# KiCad board servo.kicad_pcb (continued)
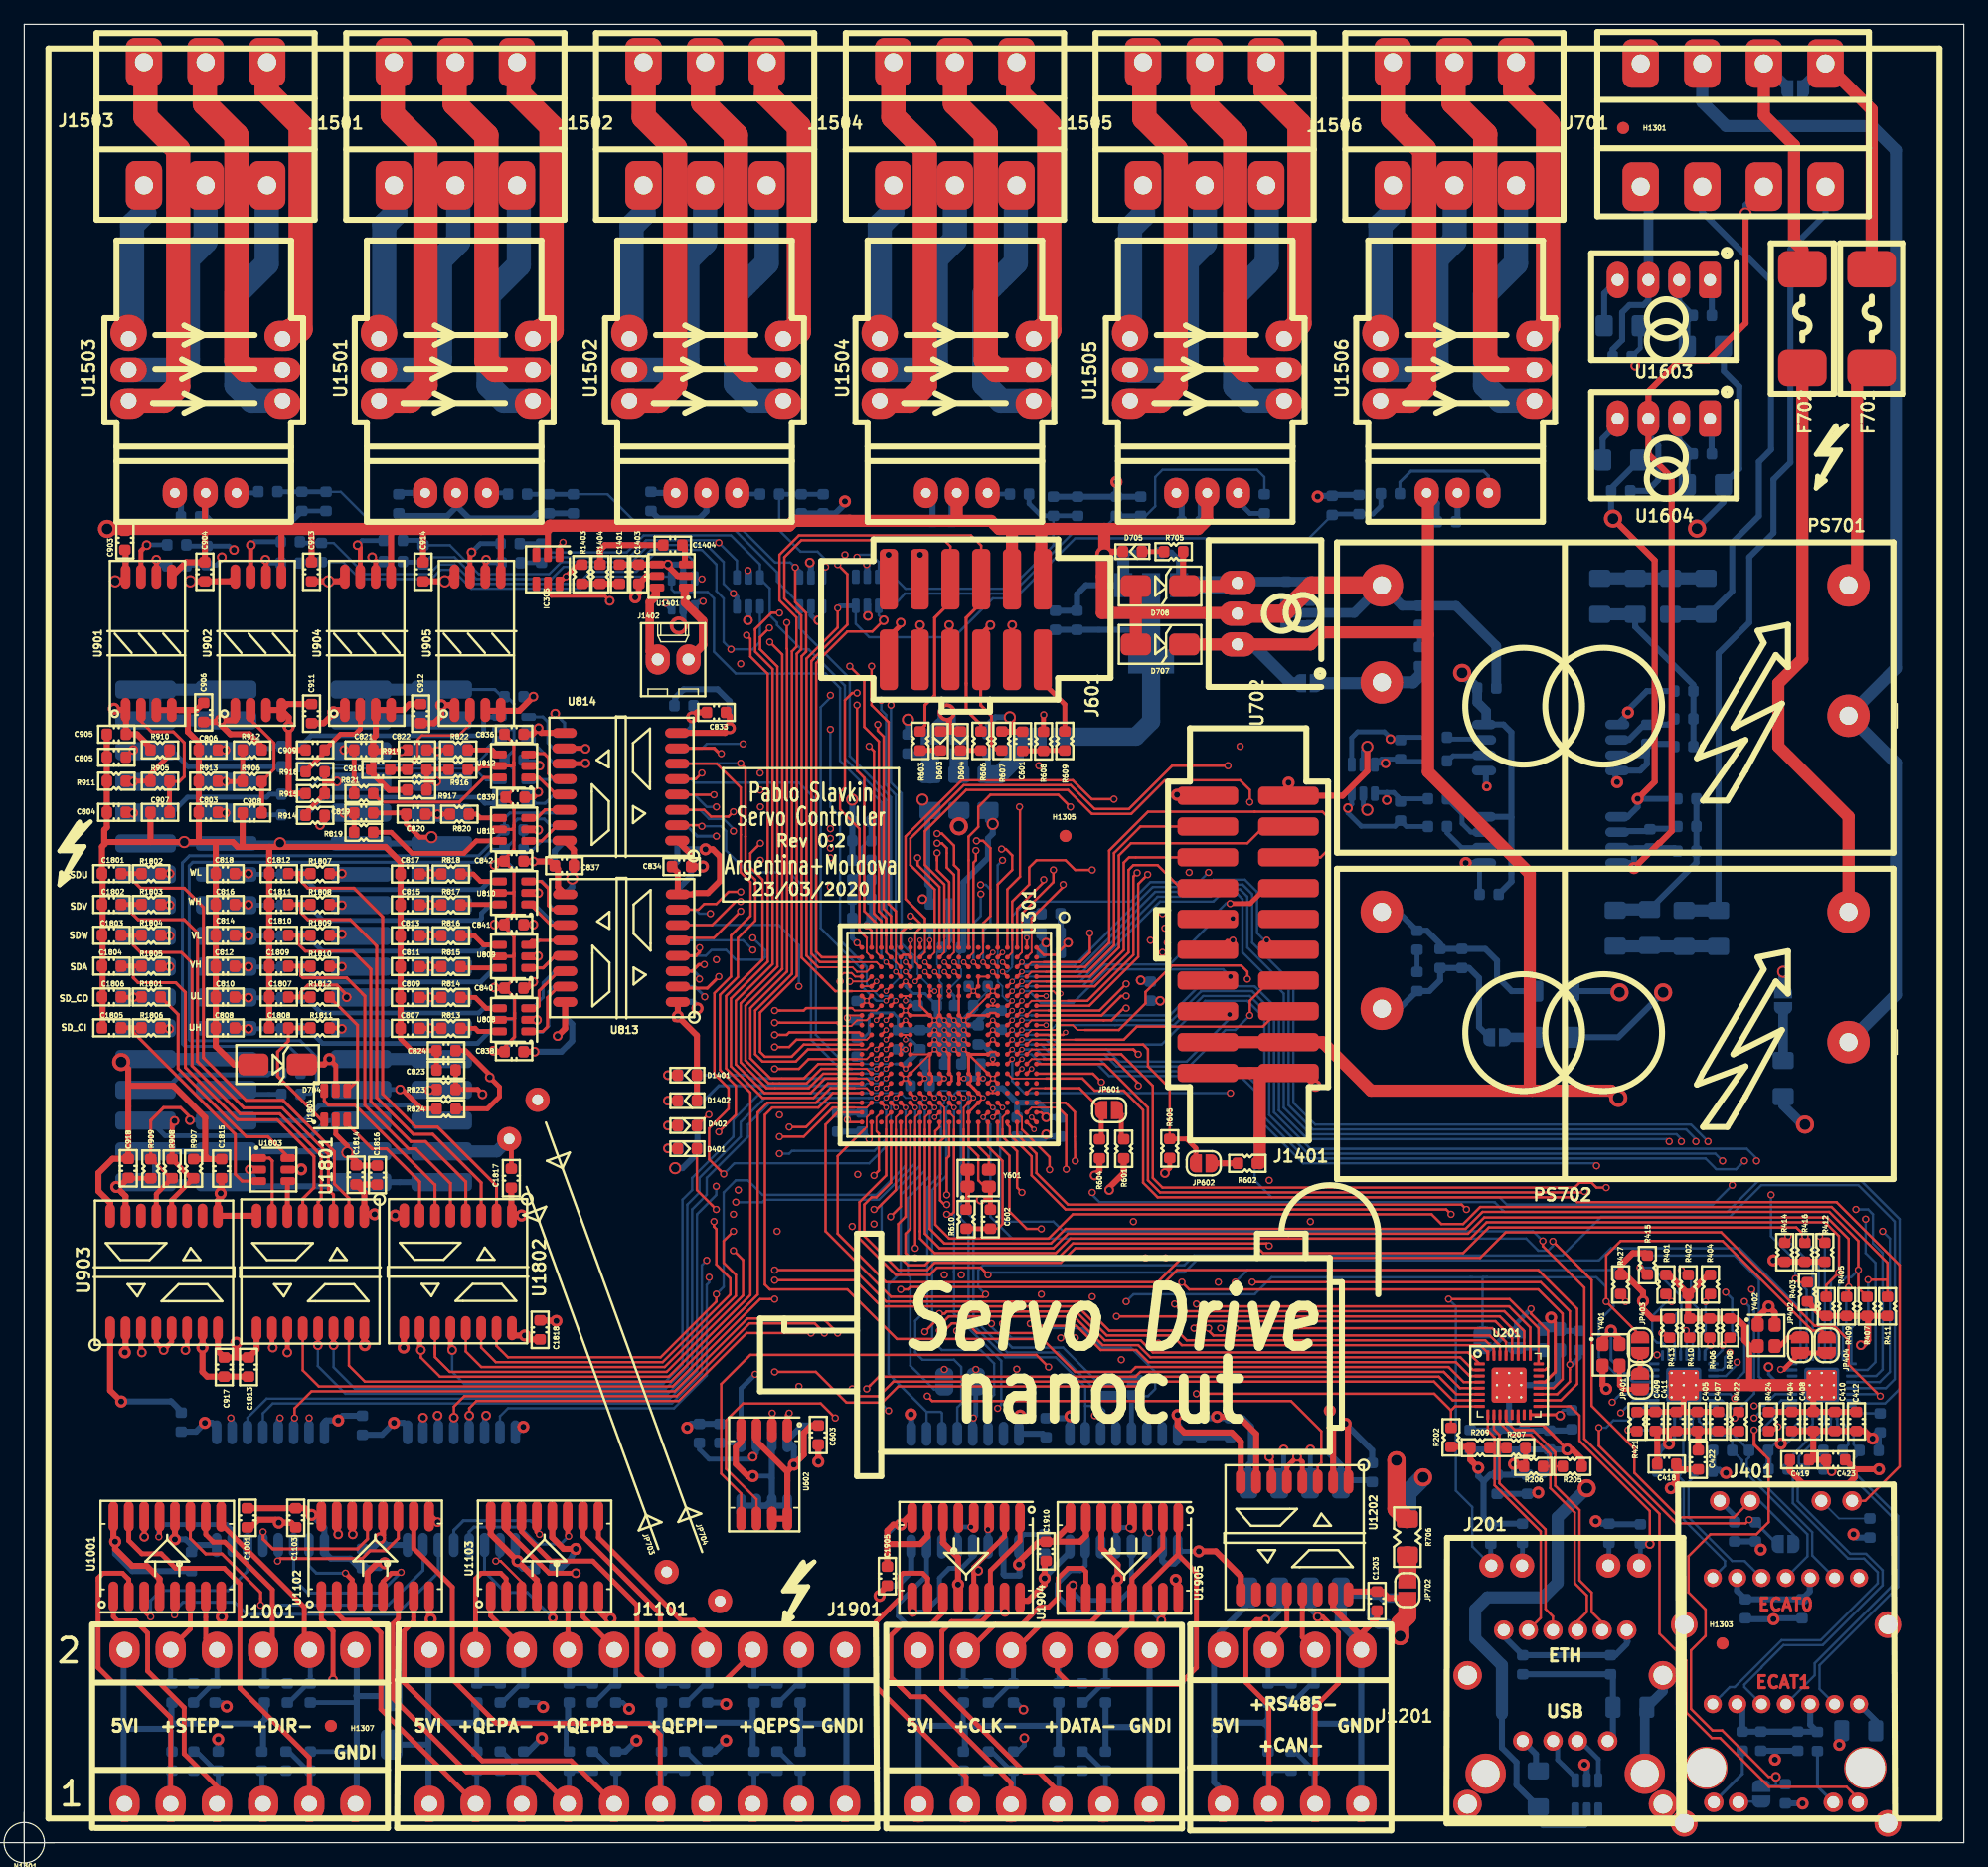
[diagram p0: board, top side]
## Routing (per net, layer and track width the routed paths; a pad name or vN(x,y) marks a point on that pad's centre or on a via; arc(x,y) is an arc through that point) (continued)
ECAT1_RX_ER: length 102.3
  Top w0.2: R416.2 146.89,50.03 v5(146.9,50.04) 146.18,50.76 120.82,50.76 118.7,48.64 102.2,48.64 101.8,49.04 86.7,49.04 85.5,47.84 75.1,47.84 74.5,47.24 72.1,47.24 69.3,50.04 69.3,52.64 69.9,53.24 70.3,53.24 71.5,54.44 U301.T19
  Bottom w0.2: v5(146.9,50.04) 146.9,49.64 148.04,48.51 U403.28
ECAT1_TX_CLK: length 118.3
  Top w0.2: U301.U10 v2(71.1,67.04)
  In2.Cu w0.2: v5(151.9,51.44) 151.5,51.04 107.5,51.04 107.1,50.64 99.1,50.64 98.1,49.64 76.07,49.64 75.27,50.44 69.3,50.44 68.9,50.84 v5(68.3,50.84)
  In3.Cu w0.2: v2(71.1,67.04) 70.9,66.84 69.5,66.84 68.7,66.04 68.7,58.84 67.9,58.04 67.9,51.24 v5(68.3,50.84)
  Bottom w0.2: U403.2 152.06,39 152.7,39.64 152.7,47.84 151.9,48.64 v5(151.9,51.44)
ECAT1_TX_D0: length 132.8
  Top w0.152: 67.7,66.24 69.5,66.24 U301.V10
  Top w0.2: 67.7,66.24 63.7,66.24 63.1,65.64 v5(61.9,65.64)
  In2.Cu w0.2: v5(153.3,50.44) 153.1,50.64 108.1,50.64 107.7,50.24 99.3,50.24 98.3,49.24 75.9,49.24 75.1,50.04 67.7,50.04 67.31,50.43 v5(62.1,50.44)
  In3.Cu w0.2: v5(62.1,50.44) 60.7,51.84 60.7,65.04 61.3,65.64 v5(61.9,65.64)
  Bottom w0.2: U403.4 153.06,38 153.9,38.84 153.9,49.84 v5(153.3,50.44)
ECAT1_TX_D1: length 126.6
  Top w0.2: v5(79.3,45.24) 79.1,45.04 71.5,45.04 66.1,50.44 66.1,59.24 67.1,60.24 U301.W18
  Bottom w0.2: v5(79.3,45.24) 78.7,45.84 78.7,47.24 79.1,47.64 95.7,47.64 96.5,48.44 126.9,48.44 130.1,51.64 140.7,51.64 143.3,54.24 151.3,54.24 154.3,51.24 154.3,38.24 153.56,37.5 U403.5
ECAT1_TX_D2: length 109.7
  Top w0.152: U301.V18 69.5,59.84 69.5,59.04 69.3,58.84
  Top w0.2: 69.3,58.84 67.1,56.64 67.1,50.24 71.1,46.24 93.5,46.24 95.5,48.24 120.1,48.24 122.22,50.36 139.98,50.36 147.7,42.64 149.3,42.64 150.5,41.44 150.5,39.44 v5(153.1,36.84)
  Bottom w0.2: U403.6 152.94,37 v5(153.1,36.84)
ECAT1_TX_D3: length 112.8
  Top w0.152: 70.36,58.64 70.3,58.7 70.3,59.84 U301.U18
  Top w0.2: v5(70.1,55.04) 70.5,55.44 70.5,58.5 70.36,58.64
  In2.Cu w0.2: v5(70.1,55.04) 70.33,55.27 83.67,55.27 85.3,53.64 v5(88.1,53.64)
  Bottom w0.2: U403.7 151.26,36.5 151.52,36.24 153.5,36.24 154.7,37.44 154.7,51.44 151.43,54.71 143.17,54.71 140.5,52.04 122.1,52.04 121.3,52.84 88.7,52.84 88.1,53.44 v5(88.1,53.64)
ECAT1_TX_EN: length 115.2
  Top w0.2: v2(71.1,66.24) U301.T10
  In2.Cu w0.2: v5(151.1,52.24) 121.1,52.24 120.5,52.84 85.3,52.84 83.3,54.84 75.44,54.84 75.06,54.46 69.08,54.46 68.76,54.78 v5(68.76,55.13)
  In3.Cu w0.2: v5(68.76,55.13) 68.5,55.38 68.5,58.04 69.1,58.64 69.1,65.64 69.7,66.24 v2(71.1,66.24)
  Bottom w0.2: v5(151.1,52.24) 152.1,52.24 152.5,51.84 152.5,49.44 153.3,48.64 153.3,39.04 152.76,38.5 U403.3
ECAT_EEPROM_SCL: length 61
  Top w0.2: U301.C13 v2(82.3,64.64)
  In2.Cu w0.2: v4(60.1,31.84) 61.1,31.84 61.26,32 67.5,38.24 81.05,38.24 v5(81.88,39.06)
  In3.Cu w0.2: v5(81.88,39.06) 82.18,39.36 82.18,48.16 81.1,49.24 81.1,55.24 82.3,56.44 82.3,60.64 83.9,62.24 83.9,64.24 83.5,64.64 v2(82.3,64.64)
  Bottom w0.152: 60.4,33.68 U401.6
  Bottom w0.4: U401.6 60.4,32.14 v4(60.1,31.84) ; R418.2 55.7,32.44 56.5,31.64 59.9,31.64
ECAT_EEPROM_SDA: length 73.5
  Top w0.152: U301.B13 83.1,64.64 84.1,64.64
  Top w0.2: v5(91.9,62.44) 91.9,62.64 89.9,64.64 84.1,64.64
  In2.Cu w0.2: v5(60.3,38.64) 61.68,40.02 89.68,40.02 89.86,39.84 v5(90.5,39.84)
  In3.Cu w0.2: v5(91.9,62.44) 91.7,62.24 91.7,53.24 89.9,51.44 89.9,44.64 90.9,43.64 90.9,40.24 v5(90.5,39.84)
  Bottom w0.152: U401.5 59.13,33.68
  Bottom w0.4: v5(60.3,38.64) 59.13,37.47 U401.5 58.91,32.98 R417.2
ECAT_LED_ERR: length 31.3
  Top w0.152: 55.61,59.04 D402.1
  Top w0.2: U301.E17 v2(80.7,60.64) ; v5(56.48,60.06) 56.4,60.06 D402.1
  In2.Cu w0.2: v5(56.48,60.06) 56.48,58.26 57.1,57.64 64.9,57.64 65.5,57.04 79.1,57.04 80.7,58.64 v2(80.7,60.64)
ECAT_LED_RUN: length 40.2
  Top w0.152: U301.D18 80.7,59.84 80.7,58.84
  Top w0.2: 80.7,58.84 80.7,58.24 81.9,57.04 81.9,54.04 v5(82.3,53.64) ; v5(57.09,52.24) 55.49,53.83 D401.1
  In2.Cu w0.2: v5(57.09,52.24) 57.09,53.03 58.7,54.64 60.3,54.64 60.9,54.04 81.9,54.04 v5(82.3,53.64)
ECAT_MDCLK: length 107.3
  Top w0.2: U301.D13 v2(81.5,64.64)
  In3.Cu w0.2: v5(99.5,61.84) 99.1,61.44 99.1,48.44 99.9,47.64 v5(99.9,46.24)
  Bottom w0.152: 131.1,47.24 131.1,46.44 131.1,46.64
  Bottom w0.2: 131.1,47.24 132.3,48.44 141.1,48.44 143.1,46.44 143.1,38.44 144.04,37.5 U403.20 ; 131.1,47.24 131.1,44.24 129.9,43.04 129.9,40.04 132.44,37.5 U402.20 ; 131.1,47.24 100.9,47.24 v5(99.9,46.24) ; v2(81.5,64.64) 81.5,62.84 82.5,61.84 v5(99.5,61.84)
ECAT_MDIO: length 95.2
  Top w0.2: v5(130.5,54.04) 129.7,54.04 129.3,54.44 128.3,54.44 127.9,54.04 93.9,54.04 93.1,54.84 93.1,62.44 90.5,65.04 U301.A12 ; v5(132.1,44.64) 131.7,45.04 R427.2
  In2.Cu w0.2: v5(142.7,36.04) 142.1,36.04 141.9,35.84 134.1,35.84 133.6,36.34 v5(131,36.34)
  In3.Cu w0.2: v5(130.5,54.04) 130.5,46.24 v5(132.1,44.64) 132.1,37.44 v5(131,36.34)
  Bottom w0.2: U402.19 131.66,37 v5(131,36.34) ; U403.19 144.46,37 143.5,36.04 v5(142.7,36.04)
ECAT_RST: length 94.5
  Top w0.2: U301.C12 v2(82.3,65.44)
  In2.Cu w0.2: v5(131.7,35.46) 133.28,35.46 133.9,34.84 139.9,34.84 140.5,34.24 141.5,34.24 142.3,35.04 v5(142.7,35.04)
  In3.Cu w0.2: v5(131.7,35.46) 130.48,35.46 129.5,36.44 129.5,55.22 129.7,55.42 v5(129.7,55.84)
  Bottom w0.2: U402.18 132.74,36.5 v5(131.7,35.46) ; v5(129.7,55.84) 129.5,56.04 105.5,56.04 101.9,59.64 101.9,62.24 100.5,63.64 89.7,63.64 88.7,64.64 84.3,64.64 83.5,65.44 v2(82.3,65.44) ; 142.9,35.04 v5(142.7,35.04) 143.1,35.44 143.9,35.44 144.96,36.5 U403.18
ENDAT1_CLK: length 27.3
  Top w0.2: U301.M17 v2(75.1,60.64)
  Bottom w0.152: v2(75.1,60.64) 74.7,60.24 74.7,59.04
  Bottom w0.2: JP1901.2 75.05,37.39 73.1,39.34 73.1,46.65 72.9,46.85 72.9,53.17 74.7,54.97 74.7,59.04 ; 76.5,37.39 75.65,37.39
ENDAT1_CS: length 32.9
  Top w0.2: U301.L16 v2(75.9,61.44)
  Bottom w0.152: 75.62,59.04 75.62,60.74 75.9,61.01 v2(75.9,61.44) ; 76.98,33.36 U1901.4
  Bottom w0.2: 75.62,59.04 75.62,55.16 74.5,54.04 74.5,44.04 73.5,43.04 73.5,40.44 74.1,39.84 76.7,39.84 77.3,39.24 77.3,36.24 76.98,35.92 U1901.4
ENDAT1_MISO: length 35.5
  Top w0.2: U301.M16 v2(75.1,61.44)
  Bottom w0.152: v2(75.1,61.44) 75.1,61.54 75.6,62.04 76.1,62.04 76.3,61.84 76.3,60.87 76.07,60.64 ; U1901.6 79.52,33.28
  Bottom w0.2: 76.07,60.64 76.07,55.01 74.9,53.84 74.9,41.44 75.7,40.64 78.9,40.64 80.02,39.52 80.02,36.96 79.52,36.46 U1901.6
ENDAT1_MOSI: length 33
  Top w0.2: U301.N17 v2(74.3,60.64)
  Bottom w0.2: 74.44,35.55 75.59,35.55 75.71,35.43 U1901.3 ; 74.44,35.55 U1901.2 ; 74.44,35.55 71.3,38.68 71.3,46.04 72.3,47.04 72.3,53.44 74.3,55.44 v2(74.3,60.64)
ENDAT1_N_SKEW_CLK: length 76.5
  Top w0.152: 81.5,74.44 81.5,73.44 U301.D2
  Top w0.2: 81.5,74.44 81.5,77.64 82.9,79.04 82.9,80.44 83.5,81.04 85.9,81.04 86.7,80.24 v5(88.1,80.24)
  In2.Cu w0.2: v5(78.3,35.04) 80.7,35.04 81.1,35.44 81.1,35.84 82.1,36.84 87.3,36.84 88.3,35.84 v5(88.3,35.24)
  In3.Cu w0.2: v5(88.3,35.24) 88.3,43.44 87.3,44.44 87.3,55.44 87.7,55.84 87.7,63.24 89.1,64.64 89.1,79.24 v5(88.1,80.24)
  Bottom w0.152: v5(78.3,35.04) 78.25,35.25
  Bottom w0.4: JP1902.1 78.5,35.24 v5(78.3,35.04) 78.3,33.79 U1901.5
ENDAT1_Y_SKEW_CLK: length 40.5
  Top w0.2: U301.D3 v2(80.7,72.64)
  In3.Cu w0.2: v2(80.7,72.64) 80.9,72.64 81.3,72.24 81.3,71.64 80.9,71.24 80.9,62.41 81.9,61.41 81.9,56.64 80.7,55.44 80.7,49.01 81.7,48.01 81.7,42.24 v5(78.5,39.04) v5(75.9,39.04)
  Bottom w0.152: 78.49,39.03 v5(78.5,39.04)
  Bottom w0.2: JP1901.1 75.9,39.24
ENDAT2_CLK: length 35.3
  Top w0.2: U301.K16 v2(76.7,61.44)
  Bottom w0.152: 77.9,60.64 77.9,61.84 77.7,62.04 77,62.04 76.7,61.74 v2(76.7,61.44)
  Bottom w0.2: 77.9,60.64 77.9,51.84 78.3,51.44 78.3,43.24 81.1,40.44 85.3,40.44 88.1,37.64 88.1,37.04 88.35,36.79 JP1904.1
ENDAT2_CS: length 40.3
  Top w0.2: U301.K17 v2(76.7,60.64)
  In2.Cu w0.2: v5(80.3,35.84) 80.3,36.44 81.1,37.24 88.3,37.24 89.9,35.64 v5(89.9,35.24)
  Bottom w0.2: v2(76.7,60.64) 76.7,47.13 76.7,43.64 80.6,39.74 80.6,36.14 v5(80.3,35.84)
  Bottom w0.4: v5(89.9,35.24) 90.07,35.07 U1908.4
ENDAT2_MISO: length 43
  Top w0.152: U301.L17 75.9,60.64 75.9,58.76
  Top w0.2: 75.9,58.76 75.9,58.18 75.56,57.84 75.56,52.98 75.9,52.64 v5(76.1,52.64)
  In2.Cu w0.2: v5(91.5,51.24) 90.7,52.04 77.5,52.04 76.9,52.64 v5(76.1,52.64)
  In3.Cu w0.2: v5(92.67,35.24) 92.67,36.07 91.7,37.04 91.7,51.04 v5(91.5,51.24)
  Bottom w0.4: v5(92.67,35.24) 92.61,35.18 U1908.6
ENDAT2_MOSI: length 38.8
  Top w0.2: U301.J16 v2(77.5,61.44)
  Bottom w0.2: 87.53,36.04 U1908.2 ; 87.53,36.04 87.53,37.61 85.1,40.04 80.94,40.04 77.9,43.07 77.9,50.84 77.27,51.47 77.27,61.21 v2(77.5,61.44) ; 87.53,36.04 88.7,36.04 89.1,35.64 89.1,34.84 88.8,34.54 U1908.3
ENDAT2_N_SKEW_CLK: length 53.9
  Top w0.2: U301.E3 v2(79.9,72.64)
  In3.Cu w0.152: 80.5,70.64 80.5,71.04 80.3,71.24 U301.E3 v2(79.9,72.64)
  In3.Cu w0.2: 80.5,70.64 80.5,62.24 81.5,61.24 81.5,56.84 80.3,55.64 80.3,48.84 81.3,47.84 81.3,43.44 80.7,42.84 v5(80.7,42.82)
  Bottom w0.2: JP1903.2 92.7,36.84 93.3,37.44 93.3,38.84 91.3,40.84 88.9,40.84 87.3,42.44 84.7,42.44 83.9,41.64 81.46,41.64 80.7,42.39 v5(80.7,42.82)
  Bottom w0.4: JP1903.2 91.34,36.48 U1908.5
ENDAT2_Y_SKEW_CLK: length 46.1
  Top w0.152: 79.9,71.84 v2(79.89,71.83)
  Top w0.2: U301.E4 v2(79.89,71.83)
  In3.Cu w0.152: v2(79.89,71.83) 79.1,71.04 79.1,64.08 78.5,63.48 78.5,62.6 78.7,62.4 78.7,60.64
  In3.Cu w0.2: 79.79,42.64 79.79,43.93 80.5,44.64 80.5,47.84 79.9,48.44 79.9,54.64 78.5,56.04 78.5,60.44 78.7,60.64
  Bottom w0.2: 89.88,38.09 JP1904.2 88.45,38.09 85.7,40.84 81.5,40.84 79.79,42.55 v5(79.79,42.82)
  Bottom w0.4: JP1904.2 89.55,38.14 JP1903.1
ENET_CAT_XI: length 108.7
  Top w0.152: U301.B12 83.1,65.44 84.5,65.44
  Top w0.2: 84.5,65.44 91.5,65.44 ; 91.5,65.44 v5(91.9,65.04) 91.5,65.44 ; JP404.1 148.7,41.84 148.3,42.24 147.5,42.24 140.1,49.64 131.7,49.64 130.5,48.44 v5(130.5,44.64) 133.3,41.84 JP403.1
  In3.Cu w0.152: 92.5,64.44 v5(91.9,65.04)
  In3.Cu w0.2: 92.5,64.44 92.5,59.04 92.1,58.64 92.1,53.04 90.7,51.64 90.7,45.26 90.9,45.06 v5(90.9,44.64)
  Bottom w0.2: v5(130.5,44.64) 130.5,45.84 129.7,46.64 120.7,46.64 ; 119.5,46.64 119.3,46.64 ; 119.3,46.64 102.9,46.64 101.5,45.24 91.5,45.24 v5(90.9,44.64) ; 119.3,46.64 120.7,46.64 ; 120.7,46.64 120.3,46.64 JP202.1
ENET_COL: length 114.5
  Top w0.152: 75.1,75.24 75.1,73.44 U301.M2
  Top w0.2: 75.1,75.24 75.1,78.64 73.1,80.64 73.1,82.84 77.5,87.24 86.32,87.24 88.3,85.26 91.12,85.26 94.7,88.84 v5(99.3,88.84) ; U201.29 122.24,41.3 121.1,42.44 v5(99.9,42.44)
  In3.Cu w0.2: v5(99.3,88.84) 99.3,80.04 98.7,79.44 98.7,74.04 99.7,73.04 100.3,73.04 102.3,71.04 102.3,67.44 100.7,65.84 100.7,45.04 99.9,44.24 v5(99.9,42.44)
ENET_CRS: length 110.4
  Top w0.152: U301.N2 74.3,73.44 74.3,75.24
  Top w0.2: v5(89.89,86.08) 88.06,86.08 86.5,87.64 77.34,87.64 72.7,83.01 72.7,77.84 74.3,76.24 74.3,75.24 ; v5(90.1,43.42) 121.73,43.42 123.24,41.9 U201.27
  In3.Cu w0.2: v5(90.1,43.42) 89.3,44.22 89.3,51.44 91.3,53.44 91.3,61.44 89.89,62.85 v5(89.89,86.08)
ENET_MDCLK: length 88.1
  Top w0.2: U301.J3 v2(76.7,72.64) ; U201.20 126.16,37.5 126.9,38.24 126.9,43.64 124.9,45.64 96.1,45.64 v5(95.5,46.24)
  In2.Cu w0.2: v5(93.9,73.44) 93.7,73.24 82.1,73.24 80.7,74.64 78.5,74.64 76.7,72.84 v2(76.7,72.64)
  In3.Cu w0.2: v5(93.9,73.44) 96.3,71.04 96.3,51.64 95.5,50.84 v5(95.5,46.24)
ENET_MDIO: length 121.6
  Top w0.152: 75.9,74.64 75.9,73.44 U301.L2
  Top w0.2: 75.9,74.64 75.9,79.04 74.3,80.64 74.3,83.44 77.7,86.84 86.1,86.84 88.08,84.86 91.32,84.86 94.1,87.64 100.3,87.64 101.1,86.84 v5(101.1,85.84) ; v5(101.3,46.24) 125.1,46.24 127.5,43.84 v5(127.5,39.44) 127.5,38.04 126.46,37 U201.19
  In3.Cu w0.2: v5(101.3,46.24) 101.3,65.44 102.9,67.04 102.9,71.24 100.9,73.24 100.9,85.64 v5(101.1,85.84)
  Bottom w0.4: R204.1 128.3,40.04 127.7,39.44 v5(127.5,39.44)
ENET_PWDN: length 86.9
  Top w0.2: U201.8 118.04,36 117.7,35.66 ; v2(75.1,71.84) U301.L4 ; 117.7,35.66 116.32,37.04 v5(96.7,37.04) ; 117.7,35.66 R202.1
  In2.Cu w0.2: v2(75.1,71.84) 75.1,72.64 75.7,73.24 76.5,73.24 78.3,75.04 80.9,75.04 82.3,73.64 93.1,73.64 93.7,74.24 v5(94.3,74.24)
  In3.Cu w0.2: v5(94.3,74.24) 96.7,71.84 96.7,51.44 96.3,51.04 96.3,45.64 95.7,45.04 95.7,38.04 v5(96.7,37.04)
ENET_RST: length 85.4
  Top w0.152: U301.T15 v2(71.1,62.24)
  Top w0.2: v5(72.3,45.64) 72.9,45.64 73.1,45.84 93.7,45.84 95.1,47.24 124.9,47.24 128.1,44.04 128.1,37.84 126.76,36.5 U201.18
  In3.Cu w0.152: 71.5,59.84 71.5,61.84 v2(71.1,62.24)
  In3.Cu w0.2: v5(72.3,45.64) 72.3,59.04 71.5,59.84
ENET_RX_CLK: length 86.7
  Top w0.2: U301.M4 v2(74.3,71.84) ; U201.25 124.24,42.5 122.5,44.24 97.68,44.24 97.48,44.44 v5(96.7,44.44)
  In2.Cu w0.2: v5(94.1,75.44) 93.7,75.84 77.1,75.84 74.5,73.24 74.1,73.24 73.7,72.84 73.7,72.44 v2(74.3,71.84)
  In3.Cu w0.2: v5(94.1,75.44) 97.1,72.44 97.1,51.24 96.7,50.84 v5(96.7,44.44)
ENET_RX_D0: length 93.5
  Top w0.152: 73.7,75.24 73.5,75.04 73.5,72.64 U301.N3
  Top w0.2: U201.30 121.74,41 120.9,41.84 98.1,41.84 97.7,42.24 v5(97.7,42.44) ; 73.7,75.24 73.9,75.44 73.9,75.84 73.3,76.44 v5(73.1,76.44)
  In2.Cu w0.2: v5(73.1,76.44) 75.1,76.44 75.3,76.64 92.3,76.64 95.7,80.04 v5(96.1,80.04)
  In3.Cu w0.2: v5(96.1,80.04) 97.9,78.24 97.9,42.64 v5(97.7,42.44)
ENET_RX_D1: length 89
  Top w0.152: U301.V12 69.5,64.64 68.7,64.64
  Top w0.2: U201.31 121.24,40.72 120.52,41.44 95.9,41.44 95.1,42.24 89.5,42.24 87.1,44.64 71.1,44.64 68.5,47.24 v5(61.9,47.24) ; v5(61.9,63.84) 63.9,63.84 64.7,64.64 68.7,64.64
  In3.Cu w0.2: v5(61.9,63.84) 61.1,63.04 61.1,55.01 62.7,53.41 62.7,48.04 v5(61.9,47.24)
ENET_RX_D2: length 91.2
  Top w0.2: v5(61.9,46.4) 68.54,46.4 70.7,44.24 86.9,44.24 89.3,41.84 94.7,41.84 95.5,41.04 120.1,41.04 120.74,40.4 U201.32 ; U301.W10 68.9,66.84 63.1,66.84 62.9,66.64 v5(61.9,66.64)
  In3.Cu w0.2: v5(61.9,46.4) 61.48,46.4 60.3,47.58 60.3,65.84 61.1,66.64 v5(61.9,66.64)
ENET_RX_D3: length 71.2
  Top w0.2: U301.U12 v2(70.3,64.64) ; v5(75.5,43.64) 75.93,43.64 76.1,43.82 86.76,43.82 89.14,41.44 92.1,41.44 93.1,40.44 119.11,40.44 U201.1
  In3.Cu w0.152: 73.9,59.84 73.9,61.84 73.5,62.24 72.5,62.24 71.9,62.84 71.9,63.84 71.5,64.24 70.7,64.24 v2(70.3,64.64)
  In3.Cu w0.2: 73.9,59.84 73.9,50.64 74.7,49.84 74.7,44.84 75.5,44.04 v5(75.5,43.64)
ENET_RX_DV: length 84.3
  Top w0.2: v5(94.9,44.44) 95.5,43.84 122.1,43.84 123.74,42.2 U201.26 ; v2(74.3,72.64) U301.M3
  In2.Cu w0.2: v2(74.3,72.64) 74.5,72.64 75.5,73.64 76.3,73.64 78.1,75.44 83.7,75.44 83.9,75.24 86.7,75.24 87.7,74.24 92.7,74.24 v5(92.9,74.44)
  In3.Cu w0.2: v5(94.9,44.44) 94.9,50.84 95.9,51.84 95.9,69.84 92.9,72.84 v5(92.9,74.44)
ENET_RX_ER: length 91.7
  Top w0.2: U301.N4 v2(73.5,71.04) ; v5(96.5,42.44) 97.08,43.02 121.36,43.02 122.74,41.64 U201.28
  In2.Cu w0.2: v5(93.9,76.64) 93.5,76.24 75.7,76.24 75.19,75.73 74.39,75.73 73.64,74.98 72.56,74.98 72.3,74.72 72.3,74.04 73.3,73.04 73.3,71.84 73.5,71.64 v2(73.5,71.04)
  In3.Cu w0.2: v5(96.5,42.44) 96.5,42.84 97.3,43.64 97.3,50.84 97.5,51.04 97.5,73.04 v5(93.9,76.64)
ENET_TX_CLK: length 71.7
  Top w0.152: v2(70.3,62.24) U301.U15
  Top w0.2: v5(74.29,42.15) 75.12,42.98 75.84,42.98 76.28,43.42 86.59,43.42 88.97,41.04 91.9,41.04 92.9,40.04 118.47,40.04 119.52,39 U201.2
  In3.Cu w0.152: 73.1,59.44 73.1,61.04 71.5,62.64 U301.U15 v2(70.3,62.24)
  In3.Cu w0.2: 73.1,59.44 73.1,50.64 74.1,49.64 74.1,42.34 v5(74.29,42.15)
ENET_TX_D0: length 85.4
  Top w0.2: U301.W16 66.7,61.84 65.5,60.64 61.7,60.64 61.1,60.04 61.1,46.04 61.5,45.64 67.9,45.64 71.99,41.55 83.99,41.55 86.7,38.84 91.3,38.84 91.7,39.24 117.5,39.24 118.74,38 U201.4
ENET_TX_D1: length 86.1
  Top w0.2: U301.T8 v2(71.1,67.84) ; U201.5 118.44,37.5 117.1,38.84 92.07,38.84 91.67,38.44 70.5,38.44 v5(69.5,37.44)
  In3.Cu w0.2: v5(69.5,37.44) 69.1,37.84 69.1,45.84 67.1,47.84 67.1,65.24 69.1,67.24 70.5,67.24 v2(71.1,67.84)
ENET_TX_D2: length 87.4
  Top w0.2: U301.U8 v2(70.3,67.84) ; U201.6 118.14,37 116.7,38.44 92.51,38.44 92.11,38.04 71.7,38.04 70.5,36.83 68.91,36.83 v5(68.3,37.44)
  In3.Cu w0.2: v5(68.3,37.44) 68.5,37.64 68.5,45.84 66.7,47.64 66.7,65.64 68.9,67.84 v2(70.3,67.84)
ENET_TX_D3: length 100
  Top w0.152: U301.V8 69.5,67.84 68.7,67.84 68.23,67.37 67.3,67.37
  Top w0.2: U201.7 117.84,36.5 116.3,38.04 92.84,38.04 92.44,37.64 72.1,37.64 70.77,36.31 67.83,36.31 65.3,38.84 v5(61.9,38.84) ; v5(61.9,67.64) 67.03,67.64 67.3,67.37
  In3.Cu w0.2: v5(61.9,67.64) 61.1,67.64 59.9,66.44 59.9,40.84 v5(61.9,38.84)
ENET_TX_EN: length 73.5
  Top w0.2: U301.T12 v2(71.1,64.64) ; v5(75.5,42.24) 75.93,42.24 76.53,42.84 77.8,42.84 78.6,42.04 83.26,42.04 83.86,42.64 86.8,42.64 88.8,40.64 91.74,40.64 92.74,39.64 118.1,39.64 119.24,38.5 U201.3
  In3.Cu w0.152: v2(71.1,64.64) 72.7,64.64 73.5,63.84 73.5,63.04 74.7,61.84 74.7,58.84
  In3.Cu w0.2: v5(75.5,42.24) 76.3,43.04 76.3,44.24 75.3,45.24 75.3,49.84 74.7,50.44 74.7,58.84
FAN_RPM1: length 63.2
  Top w0.152: 76.7,58.84 76.7,59.84 U301.K18
  Top w0.2: 76.7,58.84 76.7,52.02 76.53,51.84 v5(76.1,51.84)
  In2.Cu w0.2: v5(76.1,51.84) 74.5,51.84 73.5,52.84 60.1,52.84 59.1,51.84 v5(58.5,51.84)
  In3.Cu w0.2: v5(57.1,83.02) 57.1,82.6 57.3,82.4 57.3,74.84 58.3,73.84 58.3,54.88 57.9,54.48 57.9,52.43 57.91,52.42 57.92,52.42 v5(58.5,51.84)
  Bottom w0.152: 56.81,83.02 v5(57.1,83.02)
  Bottom w0.25: 56.81,83.02 55.52,83.02 54.64,83.9 U802.7
FAN_RPM1_H: length 5.5
  Bottom w0.4: R812.2 16.22,61.74 J1704.8
FAN_RPM2: length 60.4
  Top w0.2: U301.R16 v2(71.9,61.44) ; v5(57.7,55.16) 56.5,56.36 56.5,58.94 58.1,60.54 58.1,62.24 56.94,63.4 56.94,70.08 58.3,71.44 58.3,74.84 59.91,76.45 59.91,79.24 59.1,80.05 59.1,83.15 59.1,87.04 57.13,89.01 U814.6
  Bottom w0.152: v2(71.9,61.44) 71.5,61.04 71.5,57.84
  Bottom w0.2: 71.5,57.84 69.7,56.04 58.58,56.04 v5(57.7,55.16)
FAN_RPM2_H: length 0.7
  Top w0.152: 33.67,62.08 J1705.8
  Top w0.4: R823.1 33.95,62.08 v4(33.4,62.08)
FLASH_SPI_CLK: length 70.6
  Top w0.2: U301.H3 v2(77.5,72.64) ; v5(66.9,35.04) 65.7,36.24 59.3,36.24 57.9,34.84 57.9,30.84 60.41,28.33 U602.6
  In3.Cu w0.2: v5(66.9,35.04) 66.9,37.44 67.9,38.44 67.9,45.84 66.3,47.44 66.3,72.24 66.9,72.84 69.5,72.84 70.3,73.64 77.1,73.64 77.5,73.24 v2(77.5,72.64)
FLASH_SPI_CS: length 72.7
  Top w0.152: 63.03,33.96 U602.1
  Top w0.2: U301.J1 77.1,80.24 76.7,80.64 76.7,82.24 75.7,83.24 v5(75.3,83.24)
  Top w0.4: U602.1 62.95,35.29 v5(63.1,35.44)
  In2.Cu w0.2: v5(66.5,83.64) 67.3,83.64 67.7,83.24 v5(75.3,83.24)
  In3.Cu w0.2: v5(63.1,35.44) 62.9,35.64 62.9,38.84 63.3,39.24 63.3,42.84 64.3,43.84 64.3,69.04 62.9,70.44 62.9,71.44 63.9,72.44 63.9,82.44 65.1,83.64 v5(66.5,83.64)
FLASH_SPI_MISO: length 78.3
  Top w0.152: U301.H2 78.3,73.44 78.3,74.44 ; 61.7,34.05 U602.2
  Top w0.2: v5(78.5,81.84) 78.5,81.04 78.3,80.84 78.3,74.44
  Top w0.4: v5(61.7,35.44) 61.7,34.05
  In2.Cu w0.2: v5(60.73,81.04) 62.1,81.04 65.7,84.64 74.97,84.64 75.96,83.65 75.96,82.98 77.1,81.84 v5(78.5,81.84)
  In3.Cu w0.2: v5(60.73,81.04) 60.73,76.67 59.5,75.44 59.5,74.34 59.5,74.34 59.5,37.64 v5(61.7,35.44)
FLASH_SPI_MOSI: length 109.3
  Top w0.2: U301.H1 77.9,82.99 78.7,83.79 78.7,85.44 79.7,86.44 85.3,86.44 v5(86.3,85.44) ; U602.5 59.14,28.8 57.5,30.44 57.5,37.84 59.9,40.24 83.5,40.24 v5(84.5,39.24)
  In3.Cu w0.152: 86.7,57.84 86.7,63.44
  In3.Cu w0.2: v5(86.3,85.44) 86.9,84.84 86.9,78.84 88.5,77.24 88.5,65.24 86.7,63.44 ; 86.7,57.84 85.3,56.44 85.3,44.44 84.5,43.64 v5(84.5,39.24)
FREE_OUT1_1: length 52.4
  Top w0.152: 68.5,60.64 69.5,60.64 U301.V17
  Top w0.2: 68.5,60.64 66.7,60.64 64.3,58.24 v5(62.3,58.24) ; v5(57.3,58.64) 58.7,60.04 58.7,62.44 57.4,63.74 57.4,69.94 58.87,71.41 58.87,74.62 60.31,76.06 60.31,79.43 59.5,80.24 59.5,82.99 59.5,88.64 v5(59.1,89.04)
  In2.Cu w0.2: v5(62.3,58.24) 57.7,58.24 v5(57.3,58.64)
  Bottom w0.2: v5(59.1,89.04) 53.94,89.04 U802.3
FREE_OUT1_1_H: length 11.8
  Top w0.25: v4(9,90.14) 8.99,90.14 C805.2
  Bottom w0.4: R808.2 13.52,88.76 12.24,90.04 10.81,90.04
FREE_OUT1_2: length 57.4
  Top w0.2: U301.U17 v2(71.1,60.64)
  In3.Cu w0.2: 63.3,57.24 62.9,56.84 v5(62.3,56.84) ; 63.3,57.24 63.1,57.04 ; 63.3,57.24 63.9,57.84 63.9,68.84 62.5,70.24 62.5,71.84 63.5,72.84 63.5,89.04 61.9,90.64 v5(59.3,90.64)
  Bottom w0.2: U802.2 55.91,90.25 56.3,90.64 v5(59.3,90.64) ; v5(62.3,56.84) 63.1,56.84 63.33,57.07 70.13,57.07 71.1,58.04 v2(71.1,60.64)
FREE_OUT1_2_H: length 7.9
  Top w0.25: C806.2 v4(16.6,90.14)
  Bottom w0.152: 17.5,90.24 17.3,90.04 15.86,90.04
  Bottom w0.4: 15.86,90.04 16.08,90.26 20.31,90.26 20.49,90.44 R807.2
FREE_OUT2_1: length 83.8
  Top w0.152: 83.18,50.64 v5(83.9,50.64)
  Top w0.2: v5(56.9,86.44) 53.9,86.44 U814.4 ; U301.E19 80.3,57.64 81.27,56.67 81.27,52.07 82.7,50.64 v5(83.9,50.64)
  In2.Cu w0.2: v5(56.9,86.44) 58.9,86.44 60.1,87.64 61.64,87.64 63.04,89.04 83.5,89.04 v5(83.7,88.84)
  In3.Cu w0.2: v5(83.9,50.64) 83.9,55.84 86.1,58.04 86.1,63.84 87.3,65.04 87.3,75.64 86.5,76.44 86.5,82.84 85.3,84.04 85.3,86.64 83.7,88.24 v5(83.7,88.84)
FREE_OUT2_1_H: length 4.4
  Top w0.25: C821.2 v4(26.4,90.14)
  Top w0.4: C821.2 R821.1
FREE_OUT2_2: length 61.4
  Top w0.2: v2(79.9,59.84) U301.E18 ; v5(55.9,88.24) 55.4,87.74 U814.5
  In2.Cu w0.2: v5(62.3,60.04) 63.7,60.04 64.9,58.84 69.32,58.84 78.9,58.84 v2(79.9,59.84)
  In3.Cu w0.2: v5(62.3,60.04) 63.5,61.24 63.5,68.44 62.1,69.84 62.1,72.24 63.1,73.24 63.1,88.64 61.9,89.84 58.7,89.84 57.9,90.64 56.64,90.64 55.9,89.9 v5(55.9,88.24)
FREE_OUT2_2_H: length 2.7
  Top w0.4: R822.1 34.2,90.14 v4(34.1,90.04) 34,90.14 C822.2
  Bottom w0.152: 33.64,90.04 34.19,90.04 34.39,89.84
IGBT1_UH: length 34.5
  Top w0.2: U301.C8 v2(82.3,68.64)
  In2.Cu w0.152: v2(82.3,68.64) U301.C8 81.1,68.24 80.7,67.84 ; 69.7,65.84 73.3,65.84
  In2.Cu w0.2: v5(56.14,69.78) 56.2,69.84 60.3,69.84 60.9,69.24 63.9,69.24 67.3,65.84 69.7,65.84 ; 73.3,65.84 74.7,64.44 77.9,64.44 78.9,65.44 80.3,65.44 80.7,65.84 80.7,67.84
  Bottom w0.25: v5(56.14,69.78) 56.13,69.79 56.13,69.81 55.31,70.63 U801.7
IGBT1_UH_H: length 8.4
  Top w0.4: C808.2 18.43,67.21 v4(18.5,67.14)
  Bottom w0.152: 17.5,67.04 16,67.04 J1704.12 15.98,67.06
  Bottom w0.4: J1704.12 15.9,67.14 R806.2
IGBT1_UL: length 31.3
  Top w0.2: U301.D8 v2(81.5,68.64)
  In2.Cu w0.152: 70.1,66.64 71.7,66.64 71.9,66.84 73.1,66.84 74.7,68.44 80.7,68.44 80.9,68.64 v2(81.5,68.64)
  In2.Cu w0.2: v5(55.7,71.24) 56.3,70.64 60.5,70.64 61.5,69.64 64.3,69.64 67.3,66.64 70.1,66.64
  Bottom w0.25: v5(55.7,71.24) 55.7,71.44 55.24,71.9 U801.6
IGBT1_UL_H: length 12.9
  Top w0.4: C810.2 18.45,69.75 v4(18.5,69.7)
  Bottom w0.152: 20.13,69.69 15.89,69.69 15.86,69.72 17.78,69.72 17.9,69.84
  Bottom w0.4: R805.2 15.89,69.69 15.86,69.72
IGBT1_VH: length 77.5
  Top w0.2: U301.A7 87.87,69.04 91.9,73.07 91.9,79.09 v5(92.68,79.86)
  In2.Cu w0.2: v5(60.7,86.84) 62.1,86.84 63.7,88.44 80.1,88.44 82.1,86.44 86.53,86.44 92.68,80.29 v5(92.68,79.86)
  In3.Cu w0.2: v5(60.7,86.84) 59.9,86.04 59.9,84.84 61.9,82.84 61.9,76.44 v5(60.1,74.64)
  Bottom w0.2: v5(60.1,74.64) 61.1,73.64 61.1,73.04 60.9,72.84 58.7,72.84 57.9,73.64 56.7,73.64 56.23,73.17 U801.5
IGBT1_VH_H: length 12.8
  Top w0.4: C812.2 18.46,72.3 v4(18.5,72.26)
  Bottom w0.152: 17.9,72.24 17.88,72.26 J1704.16 15.91,72.21 20.13,72.21
  Bottom w0.4: J1704.16 15.89,72.24 R804.2
IGBT1_VL: length 72.8
  Top w0.152: U301.B7 83.1,69.44 86.1,69.44
  Top w0.2: v5(91.81,80.01) 91.5,79.7 91.5,73.24 87.7,69.44 86.1,69.44
  In2.Cu w0.2: v5(60.73,85.44) 60.73,85.44 63.1,85.44 65.3,87.64 78.9,87.64 82.1,84.44 87.37,84.44 v5(91.81,80.01)
  In3.Cu w0.2: v5(60.73,85.44) 62.3,83.87 62.3,75.24 60.7,73.64 v5(60.1,73.64)
  Bottom w0.2: v5(60.1,73.64) 59.3,74.44 U801.4
IGBT1_VL_H: length 12.8
  Top w0.4: C814.2 18.47,74.85 v4(18.5,74.82)
  Bottom w0.152: 17.9,74.64 17.74,74.8 J1704.18 ; 20.1,74.75 15.91,74.75
  Bottom w0.4: J1704.18 15.88,74.79 R803.2
IGBT1_WH: length 34.8
  Top w0.2: U301.C7 v2(82.3,69.44)
  In2.Cu w0.152: 72.1,68.24 73.1,68.24 74.1,69.24 78.5,69.24 79.1,69.84 81.9,69.84 v2(82.3,69.44)
  In2.Cu w0.2: v5(63.9,70.64) 65.1,70.64 66.7,69.04 68.3,69.04 68.9,68.44 71.7,68.44 71.9,68.24 72.1,68.24
  Bottom w0.2: v5(63.9,70.64) 63.9,74.04 62.23,75.71 U801.3
IGBT1_WH_H: length 8.7
  Top w0.4: v4(18.5,77.38) 18.49,77.39 C816.2
  Bottom w0.152: 17.9,77.44 17.8,77.34 J1704.20 15.98,77.22
  Bottom w0.4: J1704.20 15.87,77.33 R802.2
IGBT1_WL: length 42.4
  Top w0.2: U301.D7 v2(81.5,69.44)
  In2.Cu w0.2: v5(56.61,76.64) 57.3,76.64 58.3,77.64 58.3,78.76 58.98,79.44 63.3,79.44 64.5,80.64 80.3,80.64 v5(80.7,81.04)
  Bottom w0.152: 80.3,74.24 80.3,71.04 80.7,70.64 80.7,69.84 81.1,69.44 v2(81.5,69.44)
  Bottom w0.2: 80.3,74.24 80.3,80.64 v5(80.7,81.04) ; U801.2 55.36,76.98 55.7,76.64 v5(56.61,76.64)
IGBT1_WL_H: length 6.5
  Top w0.4: C818.2 v4(18.5,79.94)
  Bottom w0.152: 18.26,79.88 18.3,79.84
  Bottom w0.4: R801.2 J1704.22
IGBT2_UH: length 34.4
  Top w0.152: v2(84.3,69.84) U301.A6
  Top w0.25: U813.2 54.05,70.49 56.35,70.49 v5(57.3,71.44)
  In2.Cu w0.152: 69.7,67.44 71.7,67.44 71.9,67.24 72.9,67.24 74.5,68.84 80.5,68.84 80.7,69.04 83.5,69.04 v2(84.3,69.84)
  In2.Cu w0.2: v5(57.3,71.44) 60.5,71.44 61.9,70.04 64.72,70.04 67.32,67.44 69.7,67.44
IGBT2_UH_H: length 2.5
  Top w0.4: C807.2 R813.1
  Bottom w0.152: J1705.12 34.3,67.18 34.3,67.19
  vias: v4(33.5,67.19)
IGBT2_UL: length 37.7
  Top w0.152: U301.B6 83.1,70.24 84.9,70.24 85.1,70.04 v2(85.5,70.04)